# KiCad board mainboard.kicad_pcb (continued)
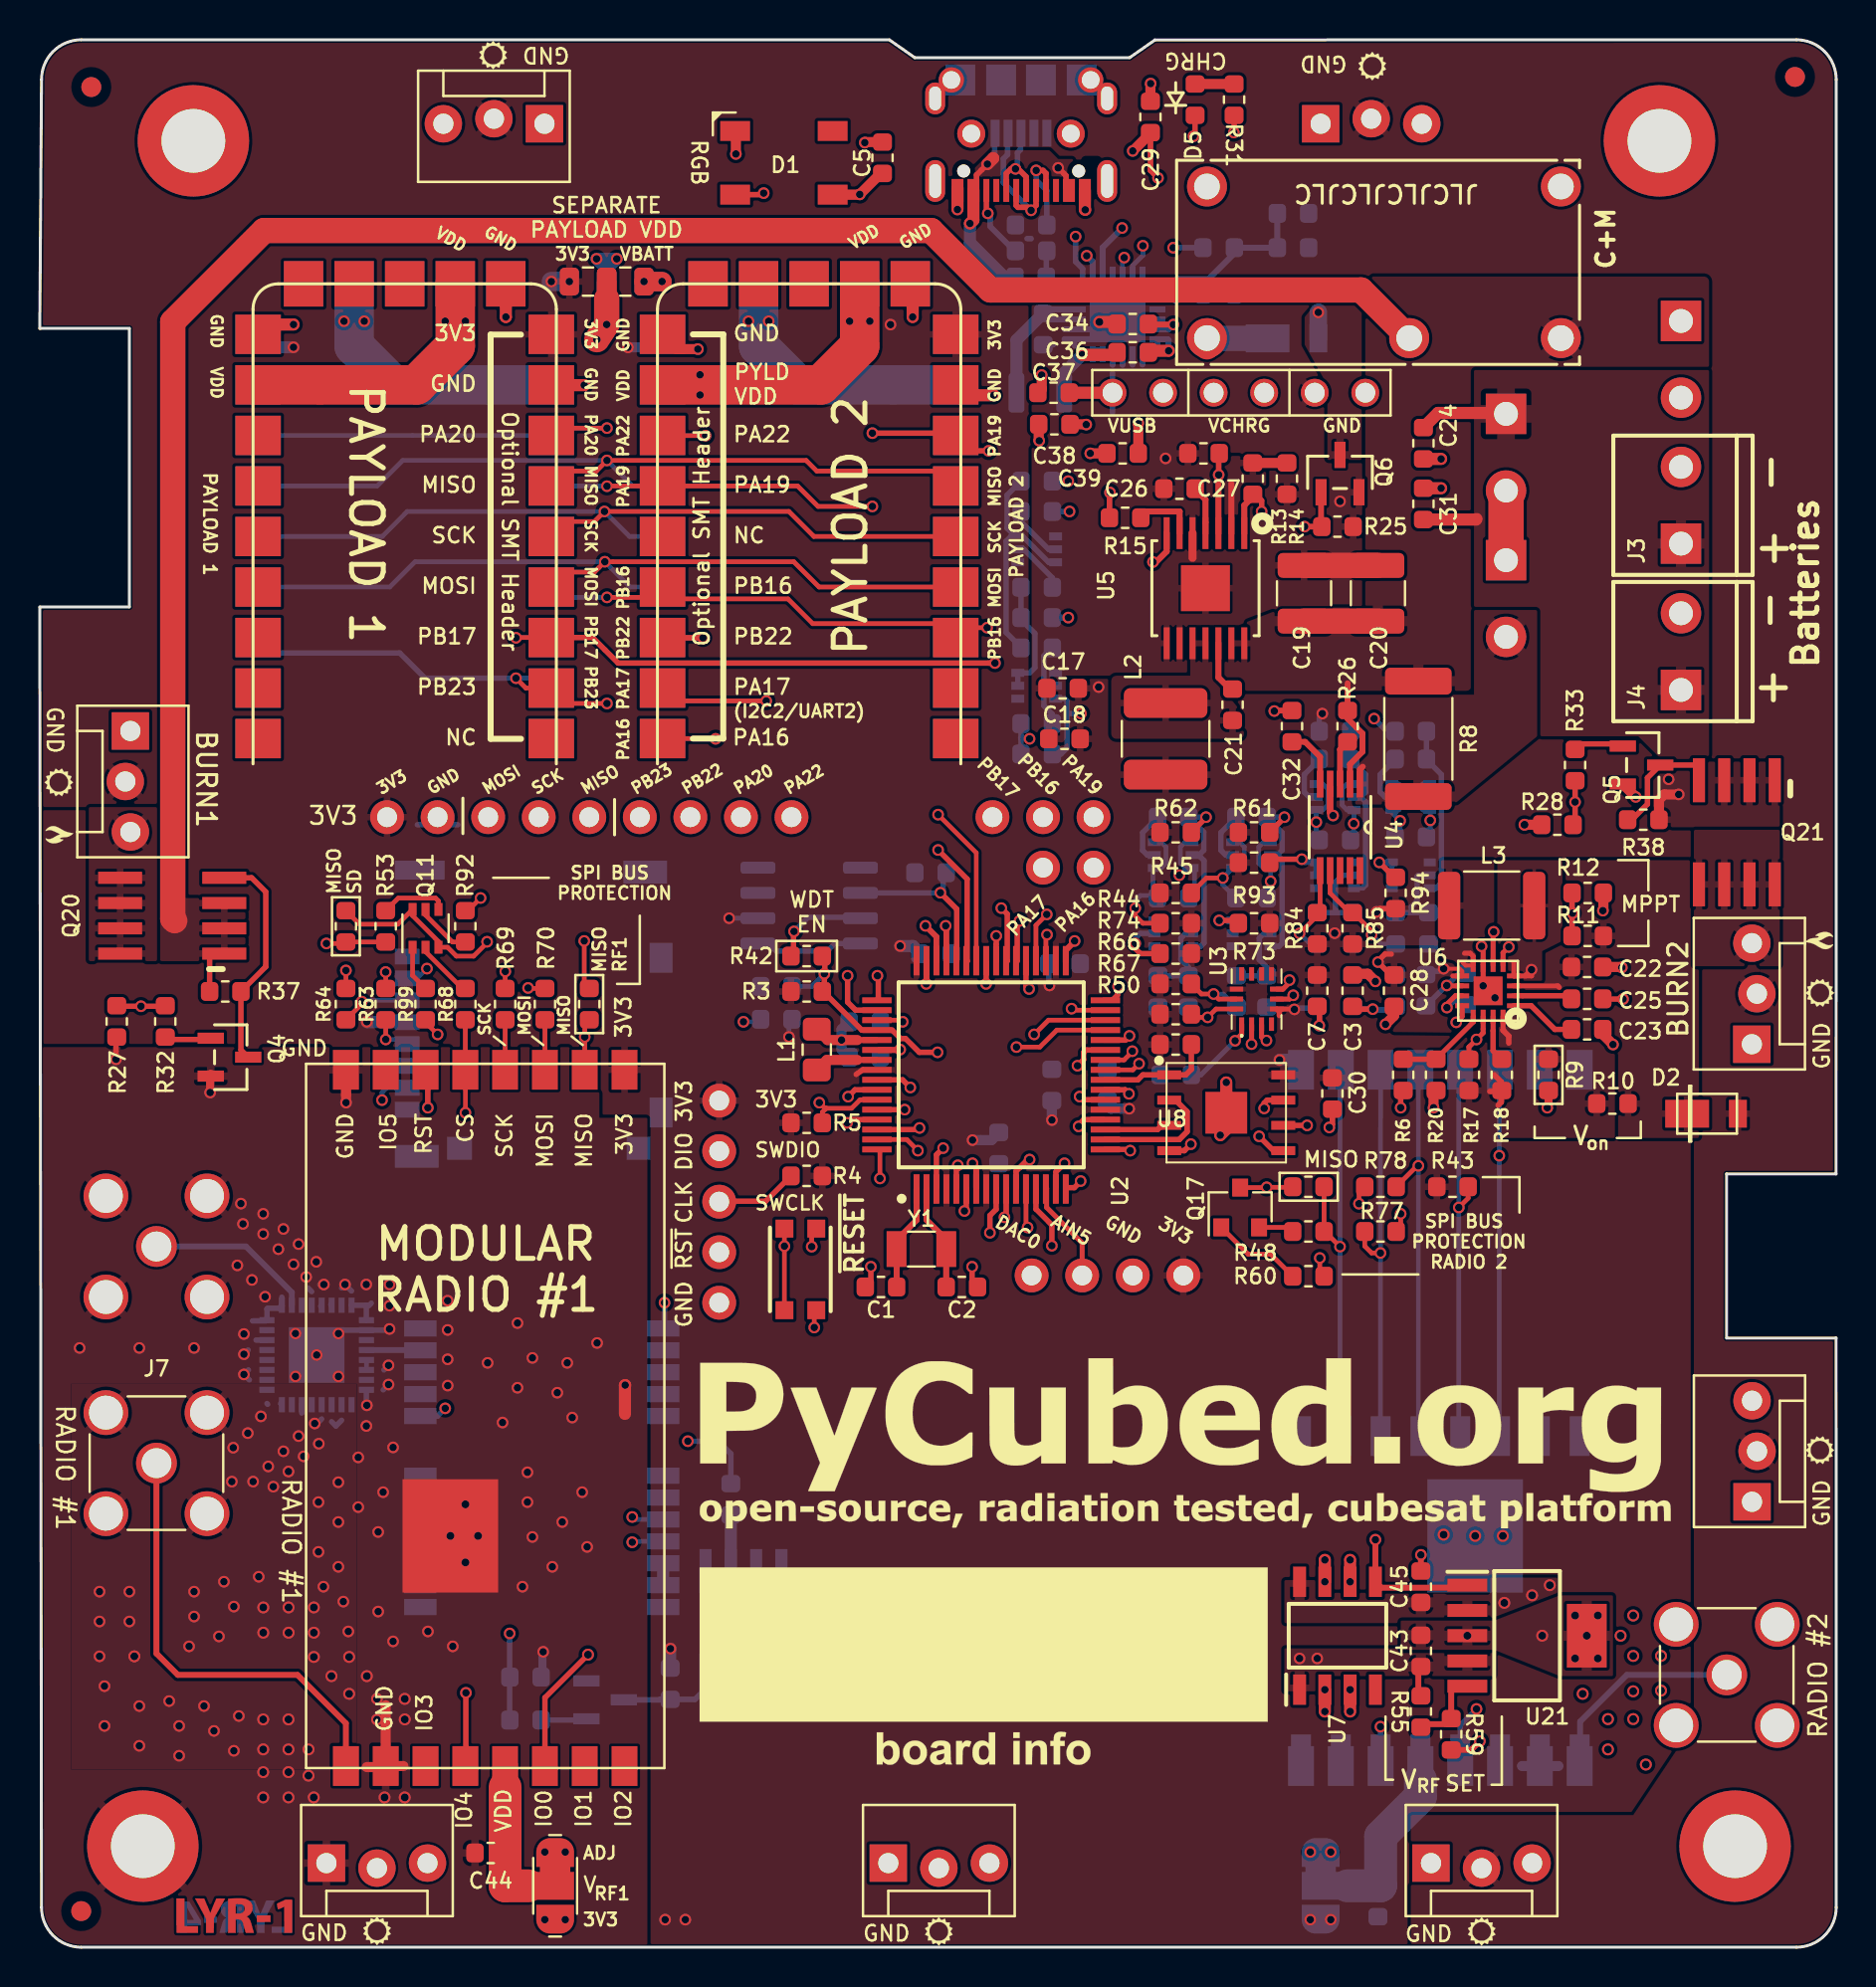
[diagram p0: board, top side]
## Routing (per net, layer and track width the routed paths; a pad name or vN(x,y) marks a point on that pad's centre or on a via; arc(x,y) is an arc through that point) (continued)
MISO_RF2: length 21.8
  Top w0.235: R107.1 R48.2 64.56,35.98 v1(65.33,35.22)
  Bottom w0.235: U24.10 65.33,44.07 65.33,25.73 U15.2
MISO_SD: length 13.8
  Top w0.235: R53.2 R104.1 15.3,50.46 v1(14.4,50.46)
  Route15 w0.235: v1(14.4,50.46) 14.4,45.38 v1(17.19,42.58)
  Bottom w0.235: v1(17.19,42.58) 17.19,42.96 17.43,43.2 J1.7
MOSI: length 143.3
  Top w0.235: R70.1 24.56,48.2 v1(24.53,48.22) ; v1(68.37,36.87) 68.37,36.21 R77.2 ; v1(15.38,49.1) 15.38,49.1 R64.2 ; U10.4 26.45,69.13 27.87,69.13 v1(28.39,69.65) 37.88,69.65 39.15,68.38 U12.4 ; 53.47,46.1 51.1,46.1 50.25,45.25 v1(49.07,45.25)
  Route15 w0.235: v1(68.37,36.87) 67.87,36.36 50.47,36.36 47.93,38.91 47.93,44.11 v1(49.07,45.25) 48.8,45.52 44.77,45.52 43.61,44.36 31.8,44.36 27.94,48.22 v1(24.53,48.22) 23.72,47.41 17.07,47.41 v1(15.38,49.1) 15.38,49.66 J8.3 24.56,58.84 26.34,58.84 27.1,59.6 27.1,64.3 29.13,66.33 29.13,68.91 v1(28.39,69.65)
  Bottom w0.235: U9.4 17.59,68.38 18.86,69.65 v1(28.39,69.65) 29.66,68.38 31.26,68.38
MOSI_RF1: length 2.5
  Top w0.235: R70.2 U23.11
MOSI_RF2: length 20.9
  Top w0.235: v1(67.36,34.9) 66.91,34.9 66.57,35.24 R77.1
  Bottom w0.235: 67.37,44.85 67.37,43.57 67.36,38.77 v1(67.36,34.9) 67.36,25.57
MOSI_SD: length 3.6
  Top w0.235: R64.1 16.18,47.42 v1(16.18,47.54)
  Bottom w0.235: v1(16.18,47.54) 16.24,47.6 J1.3
PA16: length 40.3
  Top w0.235: 50.55,49.52 50.55,50.85 v1(50.6,50.9) ; U12.23 33.94,60.76 v1(33.96,60.74)
  Route15 w0.235: v1(33.96,60.74) 33.96,61.51 34.08,61.63 34.5,61.63 34.66,61.47 34.66,58.46 33.96,57.76 33.96,56.05 37,53 39.16,53 44.43,47.73 48.12,47.73 48.91,48.52 48.91,48.84 49.32,49.25 49.51,49.25 50.6,50.34 v1(50.6,50.9) 50.6,50.98 52.94,53.31 J15.2
  Bottom w0.235: U11.1 33.94,60.76 v1(33.96,60.74)
PA17: length 40.1
  Top w0.235: v1(50.59,51.92) 50.05,51.37 50.05,49.52 ; v1(36.5,62.65) 31.94,62.65 U12.22
  Route15 w0.235: J15.1 50.59,54.08 v1(50.59,51.92) 48.88,50.2 44.24,50.2 40.05,54.39 37.64,54.39 36.5,55.54 v1(36.5,62.65)
  Bottom w0.235: v1(36.5,62.65) 31.94,62.65 U11.2
PA19: length 58.2
  Top w0.235: v1(28.5,73.44) 28.51,73.46 U12.18 38.07,73.46 39.1,72.43 v1(41.83,72.43)
  Top w0.272: 49.05,49.52 49.1,49.58 49.1,51.47 v1(49.22,51.59) ; v1(41.83,76.11) 45.91,76.11 U12.7 46.79,75.22 v1(47.67,75.22)
  Route15 w0.235: v1(41.83,72.43) v1(41.83,76.11)
  Route15 w0.272: v1(47.67,75.22) 49.2,73.7 49.2,63.47 48.67,62.95 48.67,59.56 49.96,58.27 51.48,58.27 J9.3 51.67,55.54 50.03,55.54 49.24,54.75 49.24,51.61 v1(49.22,51.59)
  Bottom w0.235: U9.18 28.48,73.46 v1(28.5,73.44)
PA20: length 60.6
  Top w0.229: v1(28.5,76.37) 26.07,76.37 U10.7
  Top w0.272: v1(47.55,48.43) 47.55,48.43 47.55,49.52
  Route15 w0.272: v1(47.55,48.43) 46.4,49.57 43.13,49.57 38.94,53.76 37,53.76 35.23,55.54 J8.8 35.23,69.51 28.5,76.24 v1(28.5,76.37)
  Bottom w0.229: v1(28.5,76.37) 26.08,76.37 25.71,76 U10.7 U9.7
PA22: length 40.7
  Top w0.229: U12.17 31.3,75.98 v1(33.45,75.98)
  Top w0.272: v1(45.13,55.16) 46.59,53.69 46.59,49.57 46.55,49.52
  Route15 w0.272: v1(33.45,75.98) 37.77,71.67 J8.9 37.77,55.41 38.31,54.86 44.84,54.86 v1(45.13,55.16)
  Bottom w0.229: 31.26,76 33.44,76 v1(33.45,75.98)
PB16: length 43.1
  Top w0.235: v1(47.6,66.33) 46.53,66.33 46.03,65.84 U12.3 45.32,66.54 38.83,66.54 37.59,67.78 31.88,67.78 U12.20 30.77,67.86 v1(28.5,67.86)
  Top w0.272: 48.55,49.52 48.61,49.58 48.61,51.93 v1(48.31,52.24)
  Route15 w0.272: 47.67,66.33 v1(47.6,66.33) 48.75,65.18 48.75,63.76 48.27,63.28 48.27,58.94 J9.2 48.31,54.71 v1(48.31,52.24)
  Bottom w0.235: U9.20 25.7,68.37 26.21,67.86 v1(28.5,67.86)
PB17: length 42.1
  Top w0.235: U10.3 23.94,65.84 v1(23.92,65.82)
  Top w0.272: v1(48.05,50.84) 48.05,50.41 48.05,50.41 48.05,49.52 ; 47.67,64.55 v1(47.99,64.55) 29.06,64.55 27.78,65.84 U10.3
  Route15 w0.272: v1(48.05,50.84) 47.67,51.22 47.67,56.62 J9.1 47.8,56.87 47.8,64.36 v1(47.99,64.55)
  Bottom w0.235: U10.3 23.94,65.84 v1(23.92,65.82)
PB22: length 28.5
  Top w0.272: 42.13,47.6 42.13,48.79 v1(42.09,48.83) ; U12.21 31.3,65.82 v1(33.32,65.82)
  Route15 w0.272: v1(33.32,65.82) 32.69,65.19 J8.7 32.69,54.9 35.1,52.49 38.43,52.49 v1(42.09,48.83)
  Bottom w0.272: v1(33.32,65.82) 31.28,65.82 31.26,65.84
PB23: length 45.2
  Top w0.235: v1(28.5,62.52) 26.47,62.52 U10.2 24.42,63.3 v1(23.92,63.79)
  Top w0.272: v1(40.59,48.83) 40.59,47.51 40.99,47.1 42.13,47.1
  Route15 w0.272: v1(40.59,48.83) 39.6,49.82 35.1,49.82 30.15,54.78 J8.6 30.15,58.33 28.5,59.98 v1(28.5,62.52)
  Bottom w0.235: v1(23.92,63.79) 25.2,63.79 U10.2
  Bottom w0.272: U9.3 11.74,65.06 18.08,65.06 19.35,63.79 v1(23.92,63.79)
RF1_ANT: length 22.7
  Top w0.293: U23.1 15.38,11.26 12.94,13.69 6.93,13.69 5.86,14.76 J7.1
RF1_CS: length 27.2
  Top w0.235: 39.52,42.17 40.79,42.17 41.2,42.58 41.21,42.58 41.23,42.6 42.13,42.6 ; 39.52,42.17 39.32,41.97 R5.2 ; 39.52,42.17 39.51,42.16 39.46,42.16 v1(39.16,42.46) ; R68.2 U23.13 ; 21.43,44.05 21.38,44 v1(21.38,41.95)
  Route15 w0.235: v1(39.16,42.46) 38.75,42.46 37.61,41.31 22.02,41.31 v1(21.38,41.95)
RF1_IO0: length 37.9
  Top w0.272: U23.6 25.38,12.54 v2(27.54,14.71) ; 46.55,38.18 46.55,37.1 v1(46.46,37.01)
  Route15 w0.272: v1(46.46,37.01) 46.02,36.57 46.02,33.16 27.57,14.71 v2(27.54,14.71)
RF1_IO4: length 43.6
  Top w0.272: v1(21.41,12.79) 21.41,9.14 U23.4 ; 46.05,38.18 46.05,39.23 v1(46.12,39.31)
  Route15 w0.272: v1(21.41,12.79) 22.13,12.79 25.66,16.32 28.11,16.32 45.44,33.64 45.44,38.62 v1(46.12,39.31) 46.22,39.41
RF1_RST: length 26.9
  Top w0.272: 42.13,41.6 40.72,41.6 v1(40.56,41.44)
  Top w0.279: 19.38,43.83 19.5,43.71 v1(19.5,42.2)
  Route15 w0.279: v1(19.5,42.2) 22.93,38.77 37.89,38.77 v1(40.56,41.44)
RF2_CS: length 46.5
  Top w0.235: R43.2 71.76,37.66 v1(71.29,37.19) ; v1(49.63,36.18) 49.55,36.26 49.55,38.18 ; v1(64.31,34.65) 64.31,33.95 R60.2
  Route15 w0.235: v1(71.29,37.19) 68.18,34.07 64.88,34.07 v1(64.31,34.65) 63.15,35.8 50.01,35.8 v1(49.63,36.18)
  Bottom w0.235: 71.29,37.12 71.29,25.76 U15.5 ; v1(71.29,37.19) 71.29,44.04 U24.13
RF2_IO0: length 38.2
  Top w0.272: v1(47.74,35.92) 47.74,36.78 48.05,37.1 48.05,38.18
  Route15 w0.272: v1(67.36,11.09) 67.36,14.01 58.59,22.77 56.06,22.77 47.74,31.09 v1(47.74,35.92)
  Bottom w0.272: U15.14 67.37,11.08 v1(67.36,11.09)
RF2_IO4: length 41.8
  Top w0.279: 48.55,38.18 48.55,36.78 v1(48.47,36.69)
  Route15 w0.279: v1(72.18,11.98) 68.12,16.04 68.12,18.07 61.01,25.18 56.5,25.18 48.47,33.22 v1(48.47,36.69)
  Bottom w0.272: 71.37,9.18 71.37,11.16 v1(72.18,11.98)
RF2_RST: length 53.6
  Top w0.272: v1(52.14,44.31) 52.44,44.62 52.44,44.98 52.57,45.1 53.47,45.1
  Route15 w0.272: v1(52.14,44.31) 49.14,41.32 49.14,39.4 50.98,37.56 59.49,37.56 60.89,38.96 67.39,38.96 68.21,38.14 71.68,38.14 v1(73.33,39.79)
  Bottom w0.235: 73.38,25.57 73.33,25.62 v1(73.33,39.79) 73.33,44.45 73.38,44.5
RX: length 29.4
  Top w0.235: 42.13,40.1 42.21,40.02 v1(42.21,38.65)
  Route15 w0.235: v1(42.21,38.65) 42.21,39.22 42.72,39.73 43.35,39.73 43.55,39.54 43.55,38.96 34.59,30.01 34.59,26.45 30.91,22.77 30.02,22.77 29.77,22.52 v1(29.77,21.63)
  Bottom w0.235: v1(29.77,21.63) 29.89,21.5 U14.20
SCK: length 139.5
  Top w0.235: R78.2 66.28,37.93 v1(66.28,37.38) ; 53.47,46.6 50.68,46.6 v1(49.96,45.89) ; U12.5 38.89,70.92 37.64,72.17 v1(28.37,72.17) 27.86,71.67 26.45,71.67 U10.5 ; v1(17.38,49.02) 17.38,49.02 R63.2 ; R69.2 23.38,49.04 v1(23.39,49.05)
  Route15 w0.235: v1(17.38,49.02) 17.85,48.55 21.89,48.55 22.39,49.05 v1(23.39,49.05) ; v1(17.38,49.02) 17.39,49.03 ; v1(17.38,49.02) 17.38,49.12 J8.4 27.46,59.2 27.46,63.52 29.49,65.55 29.49,71.05 v1(28.37,72.17) ; v1(23.39,49.05) 23.37,49.03 ; v1(23.39,49.05) 29.14,49.05 33.19,45 41.45,45 42.34,45.89 v1(49.96,45.89) 49.96,44.62 48.3,42.96 48.3,39.11 50.65,36.76 65.66,36.76 v1(66.28,37.38)
  Bottom w0.235: 31.26,70.92 29.63,70.92 v1(28.37,72.17) 18.46,72.17 17.21,70.92 U9.5
SCK_RF1: length 2.5
  Top w0.235: R69.1 U23.12
SCK_RF2: length 20.3
  Top w0.235: R78.1 69.2,39.28 v1(69.26,39.28)
  Bottom w0.235: 69.09,44.23 69.26,44.05 v1(69.26,39.28) 69.26,25.69 69.39,25.57
SCK_SD: length 2.2
  Top w0.235: R63.1 17.38,46.62 v1(17.38,45.63)
  Bottom w0.235: J1.5 18.23,45.63 v1(17.38,45.63)
SCL: length 38.8
  Top w0.235: 53.47,44.6 54.48,44.6 54.89,45.02 v1(54.89,45.04) ; R45.2 58.61,53.75 v1(59.44,53.75)
  Route15 w0.235: v1(54.89,45.04) 56.25,46.4 56.25,50.27 54.98,51.54 54.72,51.54 54.28,51.09 53.96,51.09 53.83,51.22 53.83,51.54 54.28,51.98 54.28,52.24 54.02,52.49 54.02,52.67 56.95,55.6 58.59,55.6 59.04,55.16 59.04,54.15 v1(59.44,53.75) 60.11,53.75 61.64,55.28 63.04,55.28 63.48,55.73 63.74,55.73 64.25,55.22 65.01,55.22 65.14,55.35 65.14,55.92 64.5,56.56 v1(64.13,56.56)
  Bottom w0.235: R97.2 59.44,53.4 v1(59.44,53.75) 59.93,54.24 Q7.1 60.28,54.25 60.52,54.49 60.52,55.31 60.28,55.55 Q7.3 ; R108.2 64.13,55.81 v1(64.13,56.56) 64.12,56.57 64.12,57.17 64.47,57.17 64.71,57.41 64.71,58.23 64.47,58.47 Q15.3
SCL_IMU: length 14.7
  Top w0.235: U3.13 59.23,47.66 v1(58.98,47.92) 58.37,47.92 R66.2
  Route15 w0.235: v1(61.84,53.58) 61.84,51.16 58.98,48.3 v1(58.98,47.92)
  Bottom w0.235: 61.83,53.6 61.84,53.59 v1(61.84,53.58) ; R75.1 59.46,47.92 v1(58.98,47.92) ; v1(61.84,53.58) 61.84,52.92 R97.1 ; v1(61.84,53.58) 61.84,54.24 Q7.6 61.48,54.25 61.24,54.49 61.24,55.31 61.48,55.55 Q7.4
SCL_PWR: length 62.8
  Top w0.235: v1(63.29,50.97) 64.18,51.85 R84.2 64.33,52.15 64.33,53.99
  Route15 w0.235: 67.74,58.08 68.9,56.91 68.9,54.86 66.62,52.58 64.91,52.58 v1(63.29,50.97) ; 67.74,58.08 67.58,58.08 62.02,63.63 62.02,72.43 59.74,74.71 57.45,74.71 56.69,75.48 54.4,75.48 51.23,78.65 51.23,81.27 53.87,83.91 53.87,85.11 54.29,85.53 v1(55.42,85.53) ; 67.74,58.08 67.61,58.08 v1(66.02,56.48)
  Bottom w0.235: v1(63.29,50.97) 63.83,50.43 R95.1 ; Q15.4 65.67,58.47 65.43,58.23 65.43,57.41 65.67,57.17 66.02,57.17 66.02,56.49 v1(66.02,56.48) 66.02,55.82 R108.1 ; v1(55.42,85.53) 55.42,85.05 54.9,84.53 U17.5
SD_CS: length 33.6
  Top w0.235: v1(43.35,46.52) 43.27,46.6 42.13,46.6 ; R92.2 21.51,52.11 v1(22.15,52.74)
  Route15 w0.235: 20.24,49.82 20.24,50.84 v1(22.15,52.74) ; 20.24,49.82 32.05,49.82 v1(35.35,46.52) v1(43.35,46.52) ; 20.24,49.82 19.61,49.19 v1(19.45,49.19)
  Bottom w0.235: v1(35.35,46.52) 36.09,46.52 R51.1 ; J1.2 18.96,48.7 v1(19.45,49.19)
SDA: length 38.8
  Top w0.235: 53.47,44.1 54.92,44.1 v1(55.23,44.42) ; R44.2 55.42,51.47 55.04,51.85 v1(55.04,52.24)
  Route15 w0.235: v1(55.23,44.42) 56.82,46 56.82,50.46 v1(55.04,52.24) 55.04,53.12 56.37,54.46 57.77,54.46 59.04,53.19 60.44,53.19 61.39,54.14 65.86,54.14 68.35,56.62 v1(68.35,56.62)
  Bottom w0.235: v1(55.04,52.24) 55.04,52.62 55.29,52.87 56.16,52.87 55.93,53.1 55.93,54.27 ; Q16.3 68.28,58.47 68.52,58.23 68.52,57.41 68.28,57.17 67.93,57.17 67.93,57.04 v1(68.35,56.62) 68.35,56.09 68.09,55.84 ; Q8.3 56.34,55.55 56.58,55.31 56.58,54.49 56.34,54.25 Q8.1 55.93,54.19
SDA_IMU: length 16.1
  Top w0.235: R67.2 58.02,46.74 v1(58.68,46.74) 59.1,47.16 U3.14
  Route15 w0.235: v1(57.26,53.89) 57.26,51.84 57.9,51.2 57.9,47.52 v1(58.68,46.74)
  Bottom w0.235: R98.1 58.02,53.03 58.02,54.13 Q8.6 ; Q8.6 57.55,54.25 57.31,54.49 57.31,55.31 57.55,55.55 Q8.4 ; Q8.6 57.62,54.25 v1(57.26,53.89) ; R76.1 57.73,47.26 58.24,46.74 v1(58.68,46.74)
SDA_PWR: length 57.2
  Top w0.235: 64.83,53.99 64.83,52.99 65.81,52.01 R85.2 65.99,52.01 66.91,51.08 v1(66.91,50.9)
  Route15 w0.235: v1(66.91,50.9) 67.48,50.9 69.86,53.28 v1(69.86,56.64) 69.86,61.29 62.79,68.36 62.79,72.56 60.25,75.1 57.83,75.1 57.07,75.86 54.53,75.86 51.69,78.7 51.69,81.16 54.48,83.96 v1(54.48,84.94)
  Bottom w0.235: v1(69.86,56.64) 69.86,57.15 69.83,57.17 69.48,57.17 69.24,57.41 69.24,58.23 69.48,58.47 Q16.4 ; v1(69.86,56.64) 69.86,55.96 69.69,55.79 ; v1(69.86,56.64) 69.86,56.53 69.83,56.5 ; 67.99,50.43 67.38,50.43 v1(66.91,50.9) ; v1(54.48,84.94) 54.4,84.85 U17.4
STAT: length 10.3
  Top w0.272: D5.1 58.04,91.12 v1(57.96,91.03)
  Route15 w0.272: v1(54.38,86.42) 55.63,87.67 55.63,89.33 57.33,91.03 v1(57.96,91.03)
  Bottom w0.3: U17.2 53.4,85.44 v1(54.38,86.42)
SWCLK: length 17.8
  Top w0.272: 34.21,37.48 34.24,37.5 36.47,37.5 R4.2 ; v1(43.74,43.22) 43.35,43.6 42.13,43.6
  Route15 w0.272: J2.3 38,37.48 v1(43.74,43.22)
SWDIO: length 9.3
  Top w0.272: v1(40.61,42.76) 40.96,43.1 42.13,43.1
  Route15 w0.272: J2.2 37.87,40.02 v1(40.61,42.76)
THM: length 8.8
  Bottom w0.3: U17.7 56.69,83.33 57.21,83.86 58.72,83.86 60.02,85.15 R34.2 R35.2 R46.2
TX: length 29.4
  Top w0.235: 42.13,40.6 43.56,40.6 v1(44.12,40.04)
  Route15 w0.235: v1(44.12,40.04) 44.12,38.27 35.35,29.5 35.35,25.95 v1(29.77,20.36)
  Bottom w0.235: U14.21 29.81,20.4 v1(29.77,20.36)
USB_CC1: length 4.4
  Top w0.279: J13.A5 50.56,89.17 50.4,89.32 v1(50.06,89.32)
  Bottom w0.279: R40.2 50.59,88.3 50.06,88.84 v1(50.06,89.32)
USB_CC2: length 3.7
  Top w0.272: v1(47.63,87.16) 47.56,87.23 J13.B5
  Bottom w0.279: 48.99,85.26 47.75,86.5 47.75,87.04 v1(47.63,87.16)
USB_D+: length 56.1
  Top w0.279: J13.B6 48.56,89.17 48.79,89.4 v1(49.02,89.4) 49.16,89.4 49.56,89 J13.A6
  Top w0.293: v1(44.5,51.35) 45.05,50.79 45.05,49.52
  Route15 w0.272: v1(52.04,85.99) 52.04,86.37 50.01,88.4 49.02,88.4 v1(49.02,89.4) 49.15,89.4
  Route15 w0.293: v1(44.5,51.35) 45.98,52.83 45.98,57.12 43.86,59.24 43.86,59.26 43.7,59.43 43.7,80.73 49.02,86.05 49.02,88.4
  Bottom w0.279: v1(49.02,89.4) 49.12,89.5 49.12,90.21 49.27,90.36 49.27,91.06 ; 52.37,83.32 52.37,83.33 U17.24 52.4,83.33 52.4,84.38 52.04,84.73 v1(52.04,85.99)
USB_D-: length 55.4
  Top w0.279: J13.B7 50.06,87.56 v1(49.81,87.31) 49.65,87.46 49.15,87.46 49.06,87.55 J13.A7
  Top w0.293: 45.55,49.52 45.55,51.31 v1(45.51,51.35)
  Route15 w0.272: v1(49.81,87.31) 49.81,86.25 51.03,85.03 v1(52.6,85.03)
  Route15 w0.293: v1(45.51,51.35) 45.51,50.84 45.64,50.71 46.28,50.71 46.4,50.84 46.4,58.43 46.12,58.71 45.01,58.71 44.12,59.6 44.12,80.56 49.81,86.25
  Bottom w0.279: 48.62,91.1 48.62,90.11 48.41,89.9 48.41,88.71 v1(49.81,87.31) ; 52.73,85.03 v1(52.6,85.03)
  Bottom w0.3: U17.1 52.9,84.73 v1(52.6,85.03)
VCHRG: length 21
  Top w0.61: C31.1 72.16,71.77 72.18,71.79 ; C24.1 70.25,77.13 73.62,77.13 J16.1
  Route15 w1.27: J14.4 62.98,79.61 67.47,79.61 70.08,77 73.59,77 J16.1
VSOLAR: length 63.6
  Route15 w1.27: 45.26,1.69 45.17,1.78 JP8.2 45.17,3.72 ; 45.26,1.69 49.71,1.69 50.85,2.83 66.73,2.83 67.62,1.94 71.8,1.94 72.44,2.58 72.44,4.36 ; 45.26,1.69 39.04,1.69 37.77,2.96 21.77,2.96 20.62,1.82 17.83,1.82 16.94,2.71 JP13.2
WDT_WDI: length 9
  Top w0.272: 46.05,49.52 46.07,49.54 46.07,52.19 v1(45.25,53.01)
  Bottom w0.272: 45.39,54.01 45.39,53.15 v1(45.25,53.01) 45.24,53 41.2,53
~{CHRG}: length 31.9
  Top w0.25: U6.P$14 72.52,45.96 v1(72.18,45.63) 71.8,45.25 R17.1
  Top w0.279: v1(49.73,39.59) 49.64,39.59 49.05,39.01 49.05,38.18
  Route15 w0.272: v1(72.18,45.63) 72.18,43.22 70.09,41.12 67.77,41.12 66.05,39.41 60.39,39.41 58.93,37.96 51.37,37.96 v1(49.73,39.59)
~{RESET}: length 30.7
  Top w0.235: SW1.A' v1(37.41,35.24) SW1.A
  Top w0.272: 41.71,46.1 41.3,46.1 39.42,47.99 v1(39.42,48.93) 39.44,48.96 39.44,49.82 ; 42.13,46.1 42.82,46.1 43.25,45.68 43.49,45.68 44.19,44.99 v1(45.1,44.99)
  Route15 w0.272: J2.4 37.11,34.94 45.1,42.93 v1(45.1,44.99)
  Bottom w0.235: C4.2 38.78,48.3 v1(39.42,48.93)
Net-(C6-Pad1): length 12.2
  Bottom w0.272: Q3.6 50.69,69.62 49.39,70.92 Q3.3 ; Q3.3 49.01,70.92 48.6,71.33 48.6,73 R49.2 ; Q3.3 48.79,70.92 48.55,70.68 48.55,66.09 49.3,65.34 C6.1
Net-(C6-Pad2): length 4.7
  Bottom w0.272: 50.69,63.41 50.45,63.65 50.45,64.92 50.85,65.32 C6.2 ; 50.69,63.41 50.45,63.17 50.45,62.41 50.87,61.98 R47.2 ; 50.69,63.41 Q2.5
Net-(C8-Pad1): length 4.2
  Bottom w0.272: Q12.5 61.51,50.97 61.27,50.73 61.27,49.64 61.64,49.27 C8.1 R75.2
Net-(C12-Pad2): length 5.3
  Top w0.293: U2.53 41.07,45.6
  Top w0.508: L1.1 39.58,45.6 v1(40.28,45.6) 41.07,45.6
  Bottom w0.508: C12.2 40.28,46.14 v1(40.28,45.6) 40.28,45.12 C14.1
Net-(C21-Pad2): length 2.7
  Top w0.305: C21.2 59.8,63.25 59.22,63.83 U5.12
Net-(C23-Pad1): length 3.4
  Top w0.272: C23.1 76.12,46.14 74.93,47.33 U6.P$1
Net-(C25-Pad1): length 3
  Top w0.25: U6.P$2 74.48,47.83
  Top w0.272: C25.1 76.8,47.83 74.48,47.83
Net-(C25-Pad2): length 8.6
  Top w0.25: v1(74.95,49.14) 74.95,48.83 U6.P$4 74.06,48.83 74.06,49.52
  Top w0.272: 74.64,48.83 v1(74.95,49.14) ; v1(79.55,47.66) 78.54,47.66 C25.2
  Route15 w0.279: v1(74.95,49.14) 78.07,49.14 v1(79.55,47.66)
Net-(C26-Pad1): length 2.4
  Top w0.305: C26.1 58.05,73.29 58.57,72.77 U5.4
Net-(C27-Pad1): length 11.1
  Top w0.279: v1(53.77,73.13) 53.74,73.1 53.74,72.24 ; 59.26,75.41 59.23,75.39 v1(59.23,74.02)
  Top w0.305: v1(59.23,74.02) 59.22,74 U5.3
  Route15 w0.279: v1(53.77,73.13) 54.66,74.02 v1(59.23,74.02)
Net-(C32-Pad2): length 3.1
  Top w0.293: C32.2 63.57,60.59 64.33,59.84 U4.5
Net-(C35-Pad2): length 8.2
  Bottom w0.279: 50.72,81.83 C35.2 50.62,82.33
  Bottom w0.3: U17.22 50.62,82.33 ; U17.21 50.72,81.83
  Bottom w0.61: C35.2 49.07,80.78 L4.1
Net-(C36-Pad1): length 5.2
  Top w0.61: 54.12,80.05 v1(52.37,80.05)
  Bottom w0.272: 53.4,79.86 52.9,79.86 ; 53.4,80.3 52.9,80.3
  Bottom w0.61: v1(52.37,80.05) 51.47,79.15 L4.2 ; 52.75,80.05 52.63,80.05
Net-(C36-Pad2): length 3.4
  Top w0.61: C36.2 55.7,80.2 55.75,80.25 v1(56.72,80.25)
  Bottom w0.279: 56.84,80.39 56.84,80.38 v1(56.72,80.25)
  Bottom w0.3: 56.67,80.83 56.72,80.78 v1(56.72,80.25) 56.3,80.25 56.15,80.4 U17.12 56.67,80.83
Net-(C37-Pad2): length 6.3
  Top w0.508: v1(52.57,76.54) 52.56,76.56 C38.2
  Top w0.61: C37.2 J14.1
  Bottom w0.279: U17.16 53.9,79.8 ; 53.9,77.15 J14.1 53.9,79.13
  Bottom w0.3: U17.16 53.9,79.54 ; U17.15 54.4,79.54
Net-(C39-Pad2): length 3
  Top w0.508: C39.2 v1(55.19,76.62)
  Bottom w0.279: U17.13 55.4,79.88 ; U17.14 54.9,79.87
  Bottom w0.3: U17.13 55.4,79.56 ; U17.14 54.9,79.55
  Bottom w0.508: 55.19,76.6 v1(55.19,76.62)
Net-(C40-Pad1): length 4.2
  Bottom w0.272: Q13.5 57.57,50.97 57.33,50.73 57.33,49.64 57.71,49.27 R76.2 C40.1
Net-(C41-Pad1): length 4.4
  Bottom w0.272: 64.18,51.98 64.21,52.01 65.1,52.01 ; 65.1,52.01 65.1,53.53 65.45,53.89 Q18.5 ; 65.1,52.01 C41.1
Net-(C42-Pad1): length 4.2
  Bottom w0.272: Q19.5 69.26,53.89 69.2,53.83 69.2,52.59 68.91,52.3 68.91,52.01 ; 69.64,52.01 68.91,52.01 ; 68.91,52.01 67.99,52.01
Net-(D1-Pad4): length 46.2
  Top w0.229: v1(45.13,56.93) 47.05,55.02 47.05,49.52
  Top w0.279: v1(36.37,88.18) 36.29,88.1 D1.4
  Route15 w0.279: v1(45.13,56.93) 42.34,56.93 39.42,59.86 39.42,82.33 36.37,85.38 v1(36.37,88.18)
Net-(D4-PadA): length 10
  Route15 w1.27: v1(64.24,82.18) 64.24,82.92 U16.5
  Bottom w0.889: D4.A v1(64.24,82.18)
Net-(D5-Pad2): length 2
  Top w0.508: R31.1 D5.2
Net-(J6-Pad1): length 8.4
  Bottom w0.293: U13.26 12.66,32.92 10.36,35.23 J6.1
Net-(J16-Pad2): length 3.5
  Top w1.778: J17.1 J16.2
Net-(L1-Pad2): length 3.2
  Top w0.293: U2.55 41.07,44.6
  Top w0.508: L1.2 39.54,44.6 41.07,44.6
Net-(L3-Pad1): length 1.5
  Top w0.203: U6.P$8 71.99,49.35 71.64,49.35 71.5,49.49 71.5,49.49 71.49,49.5
  Top w0.25: U6.P$8 72.02,49.82 71.87,49.97 71.58,49.97
Net-(Q1-Pad1): length 2.2
  Bottom w0.272: Q1.1 27.4,11.42 25.25,11.42
Net-(Q1-Pad3): length 4.2
  Bottom w0.279: Q1.3 31.14,12.44 31.16,12.46 32.92,12.46 33.32,12.87
Net-(Q2-Pad2): length 6
  Bottom w0.272: R110.2 R30.2 49.3,66.74 50,66.04 50,64.33 49.73,64.06 Q2.3 Q2.2
Net-(Q3-Pad2): length 2.8
  Bottom w0.272: R110.1 50.87,68.84 49.44,70.27 Q3.2
Net-(Q3-Pad5): length 2.8
  Bottom w0.272: Q3.5 50.69,70.27 49.3,71.66 R52.1
Net-(Q4-Pad1): length 2.4
  Top w0.272: Q4.1 8.53,45.63 6.42,45.63 R32.1
Net-(Q5-Pad1): length 2.6
  Top w0.272: R33.1 77.41,60.49 79.42,60.49 Q5.1
Net-(Q7-Pad2): length 2.7
  Bottom w0.272: R71.1 60.09,56.78 59.34,56.03 59.34,55.14 59.58,54.9 Q7.2
Net-(Q8-Pad2): length 2.7
  Bottom w0.272: Q8.2 55.65,54.9 55.41,55.14 55.41,56.03 56.16,56.78 R72.1
Net-(Q11-Pad1): length 2.3
  Top w0.235: Q11.1 18.73,48.85 R99.1
Net-(Q11-Pad2): length 3
  Top w0.235: Q11.2 19.38,50.05 21.23,48.2 R68.1
Net-(Q11-Pad4): length 3.4
  Top w0.235: R53.1 18.01,52.74 19.88,52.74 20.03,52.59 Q11.4
Net-(Q11-Pad5): length 2.8
  Top w0.235: R92.1 20.73,50.53 19.38,51.88 Q11.5
Net-(Q12-Pad2): length 2.3
  Top w0.272: v1(59.26,51.62) 60.08,51.62 R73.2
  Bottom w0.272: Q12.2 Q12.3 59.26,51.62 v1(59.26,51.62)
Net-(Q12-Pad6): length 9.7
  Top w0.272: 62.53,56.68 62.43,56.68 R61.2
  Bottom w0.272: Q12.6 62.26,50.32 62.42,50.47 62.42,54.66 62.18,54.9 ; v1(62.53,56.81) R71.2 61.64,56.81 62.42,56.03 62.42,55.14 62.18,54.9 ; 62.18,54.9 Q7.5
Net-(Q13-Pad2): length 3.6
  Top w0.272: R74.2 55.29,49.95 55.04,50.2 v1(55.04,50.46)
  Bottom w0.272: Q13.3 Q13.2 55.29,50.97 55.04,50.71 v1(55.04,50.46)
Net-(Q13-Pad6): length 9.7
  Top w0.272: 58.59,56.68 58.49,56.68 R62.2
  Bottom w0.272: Q13.6 58.33,50.32 58.49,50.48 58.49,54.62 58.21,54.9 ; Q8.5 58.24,54.9 58.48,55.14 58.48,56.06 R72.2 v1(58.59,56.81)
Net-(Q15-Pad2): length 2.7
  Bottom w0.272: R86.1 64.31,59.73 63.53,58.95 63.53,58.06 63.77,57.82 Q15.2
Net-(Q15-Pad5): length 9.4
  Bottom w0.272: 65.86,61.25 R86.2 65.86,59.7 66.61,58.95 66.61,58.06 66.37,57.82 ; 66.37,57.82 Q15.5 ; 66.37,57.82 66.61,57.58 66.61,53.39 66.47,53.25 66.04,53.25 Q18.6
Net-(Q16-Pad2): length 2.7
  Bottom w0.272: Q16.2 67.58,57.82 67.34,58.06 67.34,58.95 68.09,59.7 R87.1
Net-(Q16-Pad5): length 9.3
  Bottom w0.272: 70.18,57.82 70.42,58.06 70.42,58.95 69.67,59.7 R87.2 69.67,61.25 ; 70.18,57.82 Q16.5 ; 70.18,57.82 70.42,57.58 70.42,53.5 70.16,53.24 Q19.6
Net-(Q17-Pad1): length 4.6
  Top w0.235: R60.1 61.85,34.84 60.71,34.84 Q17.1
Net-(Q17-Pad2): length 1.8
  Top w0.235: Q17.2 62.74,36.19 R48.1
Net-(Q18-Pad2): length 3.1
  Top w0.272: v1(63.41,54.69) 61.97,54.69 R93.2
  Bottom w0.272: v1(63.41,54.69) 63.56,54.54 Q18.3 Q18.2
Net-(Q19-Pad2): length 2.4
  Top w0.272: v1(67.3,54.53) 68.05,53.78 R94.2
  Bottom w0.272: v1(67.3,54.53) 67.3,54.54 Q19.3 Q19.2
Net-(Q20-Pad4): length 11.4
  Top w0.272: Q20.4 10.64,53.76 11.35,53.05 11.35,49.29 R37.1 10.11,45.1 Q4.3
Net-(Q21-Pad4): length 6.2
  Top w0.272: Q21.4 83.36,59.41 83.34,59.43 Q5.3 80.77,58.79 80.77,57.46 80.12,56.81 79.78,56.81
Net-(R6-Pad2): length 19.4
  Top w0.272: v1(68.37,42.2) 68.37,42.94 R6.2 ; 51.55,38.18 51.98,38.18 52.3,38.5 v1(52.3,38.51)
  Route15 w0.272: v1(68.37,42.2) 67.71,42.2 65.32,39.81 60.22,39.81 58.93,38.51 v1(52.3,38.51)
Net-(R10-Pad1): length 1.5
  Top w0.25: U6.P$16 73.52,46.09
  Top w0.279: 73.55,46.09 73.52,46.09 73.81,45.8 73.81,45.46
Net-(R11-Pad1): length 8.5
  Top w0.25: U6.P$6 73.02,51.01 v1(73.05,51.04)
  Top w0.279: R12.2 76.98,52.01 v1(77.01,51.98) 76.98,51.96 76.98,50.58
  Route15 w0.25: v1(77.01,51.98) 73.98,51.98 v1(73.05,51.04)
Net-(R13-Pad1): length 4.1
  Top w0.305: U5.2 59.87,73.57
  Top w0.508: R14.2 61.07,74.61
Net-(R15-Pad1): length 3.2
  Top w0.305: R15.1 55.64,72.17 57.26,72.17 57.27,72.17 U5.6
Net-(R16-Pad1): length 2.3
  Top w0.25: U6.P$11 71.12,47.83 70.7,47.4 v1(70.7,47.24)
  Top w0.272: 70.7,47.28 v1(70.7,47.24)
  Bottom w0.272: v1(70.7,47.24) 71,47.54 71.68,47.54
Net-(R16-Pad2): length 3.5
  Top w0.25: U6.P$10 70.69,48.33
  Top w0.272: 70.69,48.33 v1(70.69,48.35)
  Bottom w0.272: R19.2 70.67,48.35 v1(70.69,48.35) 71.3,48.96 R16.2
Net-(R18-Pad1): length 2.3
  Top w0.25: U6.P$15 73.02,46.08
  Top w0.272: 73.02,46.08 73.02,45.06 73.43,44.66
Net-(R24-Pad1): length 18.2
  Route15 w0.279: v1(20.37,27.09) 22.02,25.44 v1(32.56,25.44)
  Bottom w0.279: v1(32.56,25.44) 34.08,25.44 34.72,24.8 34.72,23.28 ; U14.8 19.98,26.7 v1(20.37,27.09)
Net-(R26-Pad2): length 2.3
  Top w0.293: U4.3 65.33,60.21 R26.2
Net-(R36-Pad2): length 2.8
  Bottom w0.279: 57.08,82.83 57.1,82.84
  Bottom w0.3: U17.8 57.08,82.83
  Bottom w0.61: 57.1,82.92 57.43,83.25 58.26,83.25 ; 58.21,83.25 57.65,83.25
Net-(R41-Pad1): length 3.9
  Top w0.25: U3.1 60.38,45.9 v1(60.06,45.57)
  Bottom w0.25: v1(60.06,45.57) 58.34,43.86 R41.1
Net-(R42-Pad2): length 4.9
  Top w0.272: 37.87,49.82 37.87,51.04 v1(37.89,51.06)
  Bottom w0.272: v1(37.89,51.06) 38.6,51.77 41.18,51.77 U1.7
Net-(R55-Pad2): length 4.2
  Top w0.293: U21.5 71.04,13.12 70.91,12.99 R59.1 70.91,11.34 70.79,11.21 69.54,11.21 R55.2
Net-(U1-Pad1): length 5.5
  Bottom w0.272: U1.8 39.94,50.46 39.56,50.08 37,50.08 36.62,50.46 U1.1

## Copper pours and planes (outline as drawn; the poured copper is in the pictures)
3.3V on Top: 6.4,2.83 6.4,0.29 13,0.29 13,2.83
3.3V on Top: 88.26,0 2.09,0 1.77,0.02 1.47,0.1 1.18,0.22 0.91,0.38 0.67,0.59 0.47,0.82 0.3,1.09 0.18,1.38 0.09,2 0.09,93.88 0.11,94.2 0.18,94.5 0.3,94.79 0.47,95.06 0.67,95.3 0.91,95.5 1.18,95.67 1.47,95.79 2.09,95.88 42.68,95.88 43.96,94.99 54.76,94.99 56.03,95.88 88.26,95.88 88.57,95.86 88.87,95.79 89.16,95.67 89.43,95.5 89.67,95.3 89.87,95.06 90.04,94.79 90.16,94.5 90.26,93.88 90.26,2 90.23,1.69 90.16,1.38 90.04,1.09 89.87,0.82 89.67,0.59 89.43,0.38 89.16,0.22 88.87,0.1
GND on Top: 28.11,41.69 30.53,41.69 30.53,-0.09 0.05,-0.09 0.05,45.25 28.11,45.25
GND on Top: 49.83,83.6 65.66,83.6 66.6,82.72 66.6,67.22 62.15,67.22 60.25,66.46 57.83,66.46 57.83,63.92 51.55,63.92 51.55,60.55 49.83,60.55
GND on Top: 73.07,14.95 68.37,14.95 68.37,16.42 73.07,16.42 76.38,17.69 79.04,17.69 79.04,13.63 76.38,13.63
GND on Top: 15.92,8.93 1.57,8.93 1.57,28.32 15.92,28.32
GND on Bottom: 2.09,95.88 42.68,95.88 43.96,94.99 54.76,94.99 56.03,95.88 88.26,95.88 88.57,95.86 88.87,95.79 89.16,95.67 89.43,95.5 89.67,95.3 89.87,95.06 90.04,94.79 90.16,94.5 90.26,93.88 90.26,2 90.23,1.69 90.16,1.38 90.04,1.09 89.87,0.82 89.67,0.59 89.43,0.38 89.16,0.22 88.87,0.1 88.26,0 2.09,0 1.77,0.02 1.47,0.1 1.18,0.22 0.91,0.38 0.67,0.59 0.47,0.82 0.3,1.09 0.18,1.38 0.09,2 0.09,93.88 0.11,94.2 0.18,94.5 0.3,94.79 0.47,95.06 0.67,95.3 0.91,95.5 1.18,95.67 1.47,95.79
GND on Bottom: 90.28,8.42 75.23,8.42 75.23,18.71 90.28,18.71
GND on Bottom: 6.4,2.83 6.4,0.29 13,0.29 13,2.83
GND on Bottom: 9.04,35.55 32.31,35.55 32.31,3.98 11.35,3.95 11.35,19.04 9.04,19.04
GND on Bottom: 13.91,31.03 19.86,31.03 19.86,28.99 13.91,28.99 13.91,20.1 1.47,20.1 1.47,39.41 13.91,39.41
GND on Route2: 0.05,95.92 90.34,95.92 90.34,0.04 0.05,0.04
GND on Route15: 0.05,40.42 10.81,40.42 21.57,34.71 21.57,27.85 20.11,27.47 19.61,26.2 10.81,19.53 0.05,19.53
GND on Route15: 90.28,6.9 75.23,6.9 75.23,18.71 90.28,18.71
GNDREF on Bottom: 43.67,95.92 43.67,88.18 49.93,82.84 49.93,79.95 49.96,74.46 68.63,74.46 69.9,73.44 69.9,63.28 72.06,61.38 90.34,61.38 90.34,95.92
VBATT on Top: 83.87,66.84 71.93,66.84 71.93,63.16 59.87,63.16 59.23,63.67 59.23,66.08 62.53,67.35 66.6,67.35 66.6,83.99 83.87,83.99
VBATT on Top: 70.28,50.2 70.28,49.57 71.1,49.44 71.1,49.06 72.03,49.06 72.03,45.96 67.49,46.01 67.49,50.2
VBATT on Top: 62.53,18.45 64.18,18.45 64.18,17.82 72.82,17.82 72.82,18.58 76.25,18.58 76.25,17.56 73.07,16.29 62.53,16.29
VBATT on Route15: 53.64,90.46 52.12,90.46 50.97,92.37 47.67,92.37 46.78,90.72 45.01,90.72 45.01,95.03 53.64,95.03
VBATT on Route15: 84.5,53 74.22,53 71.04,49.31 71.04,48.3 66.85,48.3 66.85,50.2 70.91,53.25 70.91,65.19 60.75,75.48 55.93,76.62 55.93,81.7 64.18,81.7 64.18,83.6 84.5,83.6
VBATT_SENSE on Top: 75.23,60.87 71.04,57.44 66.09,57.44 66.09,62.97 72.06,62.97 72.06,67.22 75.23,67.22
VBUS_IN on Top: 51.17,89.89 53.58,89.89 53.58,88.05 46.72,88.05 46.72,89.19 47.86,90.34 50.72,90.34
/Burn Wires/VBURN1 on Top: 2.46,57.32 5.89,57.32 5.89,49.57 2.46,49.57
/Burn Wires/VBURN2 on Top: 87.42,56.17 87.42,49.31 83.11,49.31 83.11,56.17
/Burn Wires/VBURN_A_IN on Top: 87.42,59.6 87.42,56.3 80.95,56.3 80.95,59.6
/Burn Wires/VBURN_A_IN on Top: 10.33,52.74 10.33,49.57 6.02,49.57 6.02,52.74
/Power/V_RF on Top: 62.53,12.87 64.18,12.87 64.18,13.63 73.07,13.63 73.07,15.02 62.53,15.02
/Power/VCHRG_IN on Top: 83.36,54.65 83.36,40.68 79.17,40.68 78.91,45 76.88,45 74.6,47.28 74.6,48.89 73.07,48.89 73.07,54.65
GPS_PWR_IN on Bottom: 30.4,20.1 38.02,20.1 38.02,17.44 30.4,17.44
VCHRG on Top: 83.87,79.29 83.87,59.73 81.46,59.73 80.31,60.87 75.23,60.87 75.23,65.7 72.06,66.97 72.06,79.29
VSOLAR on Top: 68.88,0.04 90.34,0.04 90.34,95.92 0.04,95.92 0.06,57.32 7.16,57.32 7.16,82.08 11.86,86.78 45.13,86.78 47.95,83.93 83.11,83.99 83.11,11.21 80.06,6.64 68.88,6.64
Net-(C21-Pad1) on Top: 57.8,66.28 59.03,66.28 59.03,63.73 60.5,61.95 60.5,60.74 53.83,60.74 53.83,63.92 57.8,63.92
Net-(C25-Pad2) on Top: 76.5,54.65 73.2,54.65 73.2,48.55 75.49,48.55 75.49,50.08 76.5,50.58
Net-(C37-Pad2) on Bottom: 54.59,76.17 51.8,76.17 51.74,79.41 52.37,80.05 53.64,80.05 53.64,80.56 54.59,80.56
Net-(C39-Pad2) on Bottom: 58.28,79.16 59.99,79.16 59.99,76.17 54.72,76.17 54.72,80.56 55.86,80.56
Net-(D4-PadA) on Top: 66.42,74.76 64.69,74.76 64.69,78.52 63.55,80.56 63.55,81.95 64.31,82.84 66.42,82.84
Net-(L3-Pad1) on Top: 73.07,49.82 73.07,54.65 70.41,54.65 70.41,49.27 72.31,49.25 72.31,49.82
Net-(R10-Pad1) on Top: 73.45,44.11 73.2,44.11 73.2,47.16 74.72,47.16 76.63,45.5 79.14,45.5 79.14,40.68 73.43,40.68
Net-(R13-Pad1) on Top: 61.61,74.97 61.61,72.94 60.5,72.43 60.5,70.78 59.23,70.78 59.23,74.97

Small or netless copper shapes (teardrops, artwork), in the pictures only: 1 on Top, 1 on Bottom

## Text on the board
B.Mask: HOLLIDAY
B.Silkscreen: GND | VDD | 3V3 | MOSI | SCK | MISO | PB23 | PB22 | PA20 | PA22 | PA17 | PA16 | PB16 | PB17 | PA19 | RF2 | VBATT | (I2C2/UART2) | ADJ | PWR  SCL  IMU | I2C BUS / PROTECTION | float | PAYLOAD 4 | PAYLOAD 3 | SWDIO | SWCLK | V | PYLD / VDD | SEPARATE / PAYLOAD VDD | NC | C | SDA IMU | Optional SMT Header | SDA / PWR | ~{RESET} | DAC0 | AIN5 | RADIO #1 | BURN2 | IO2 | IO1 | IO0 | IO4 | CS | IO3 | RST | IO5 | ANT | RADIO #2 | BURN1 | VUSB | VCHRG | Batteries | High Side / Switches | Low Side / Switch | + | - | MODULAR / RADIO #2
F.Mask: HOLLIDAY
F.Silkscreen: VDD | GND | 3V3 | MOSI | SCK | MISO | PB23 | PB22 | PA20 | PA22 | PA19 | PB16 | PA17 | PA16 | PB17 | DAC0 | AIN5 | VUSB | VCHRG | RF1 | SPI BUS / PROTECTION | RF | SPI BUS / PROTECTION / RADIO 2 | on | ADJ | VBATT | (I2C2/UART2) | MISO / SD | MISO / RF1 | PAYLOAD 2 | PAYLOAD 1 | SWDIO | SWCLK | V | IO5 | RST | IO3 | IO4 | CS | IO0 | IO1 | IO2 | PYLD / VDD | MPPT | SEPARATE / PAYLOAD VDD | NC | SET | DIO | CLK | ~{RST} | Optional SMT Header | RGB | WDT / EN | CHRG | RADIO #1 | RADIO #2 | ~{RESET} | C+M | JLCJLCJLCJLC | BURN2 | BURN1 | Batteries | + | MODULAR / RADIO #1 | -
